# Altium PCB Kojiki 2.PcbDoc (part 2 of 2)
Units mil, origin at the board's own origin, x right, y up, seen from the top; angles counter-clockwise.
Board outline 6000 x 4000 mil, 4 copper layers (Top Layer, Int1 (GND), Int2 (GND), Bottom Layer), stack 53.912 mil thick; 242 components, 161 nets, 893 pads, 0 vias.
Unrouted connection lines stored in the file: 523.
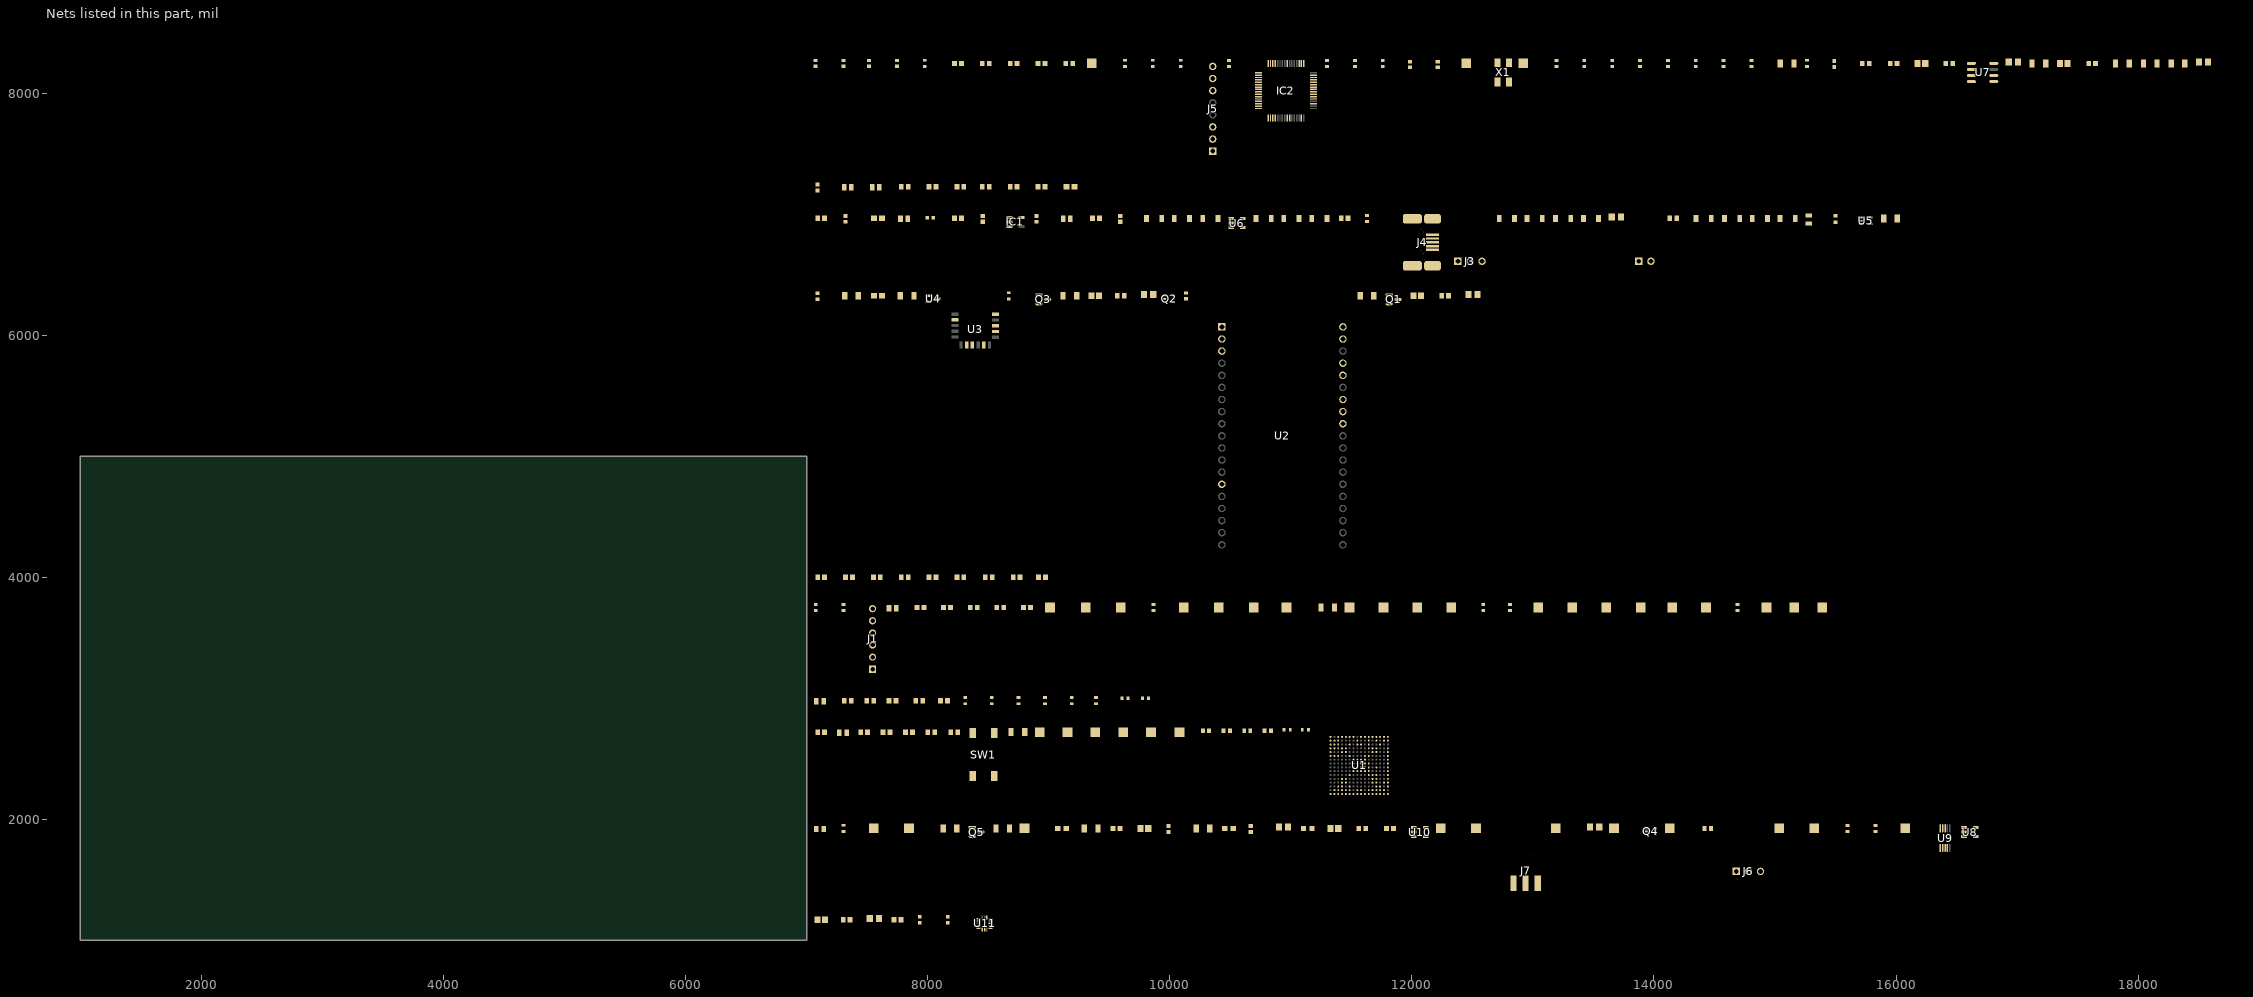
[diagram p4: the nets of this part, all layers, seen from the top]

## Part data
C1 C13 C19 C40 C45 C56 C57 C79: library part CMP-03020-006206-1, "CAP CER 10000PF 50V X7R 0805", Manufacturer=KEMET, Package / Case=C0805C-DN, Temperature="-55°C to +125°C", Temperature Characteristic=X7R, Temperature Coefficient=30ppm/°C, Temperature Range Low=-55°C, Voltage="50 V", Alternative1="GRM21BR72A103KA01L Murata", Alternative2="C0805F103K5RACTU KEMET", Alternative3="08055C103JAT2A Kyocera AVX", ComponentLink2Description=Datasheet, ComponentLink2URL=https://content.kemet.com/datasheets/KEM_C1003_C0G_SMD.pdf, Height=0.88mm, Lead Free=Yes, Material=Ceramic, Part Number=C0805C103K5RACAUTO, RoHS=TRUE
C2 C3 C4 C5 C6 C7 C8 C9 C10 C11 C12 C14 C15 C16 C17 C18 C20 C21 C22 C23 C24 C25 C26 C27 C28 C30 C32 C35 C36 C38 C42 C47 C49 C50 C51 C52 C53 C54 C59 C61 C62 C64 C67 C68 C69 C70 C71 C72 C74 C77 C80 C82: library part CMP-2006-03067-1, "Ceramic Capacitor 0.1uF 16V +-10% X7R0603", Manufacturer=Kemet, Package / Case=0603, Voltage=16V, Alternative1="C1608X7R1E104K TDK", Alternative2="CC0603KRX7R8BB104 Yageo", Alternative3="GRM188R72A104KA35D Murata", Part Number=C0603C104M4RACTU
C29 C31 C58 C60 C73 C78 C81: library part CMP-2007-01009-1, Manufacturer=Kemet, Package / Case=0805, Voltage=6.3V, Alternative1="GRM219R61A475KE34D Murata", Alternative2="C0805C475K3PACTU KEMET", Alternative3="CC0805KKX5R7BB475 Yageo", Part Number=C0805C475K9PACTU
C33 C46 C48: library part CMP-2006-02293-1, Manufacturer=Kemet, Package / Case=0603, Voltage=10V, Alternative1="CL10B105KO8NNND Samsung", Alternative2="CC0603KPX7R7BB105 Yageo", Alternative3="GRM188R71C105KE15D Murata", Part Number=C0603C105K8RACTU
C34 C39 C41 C44 C55 C63 C76: library part CMP-13271-001938-1, "Cap Ceramic 10uF 6.3V X5R ±20% Pad SMD 0603 +85°C T/R", Case Code (Imperial)=0603, Case Code (Metric)=1608, Dielectric=X5R, Manufacturer=Samsung, Max Operating Temperature=85°C, Min Operating Temperature=-55°C, Tolerance=20%, Voltage=6.3V, Alternative1="LMK107BJ106MALTD Taiyo Yuden", Alternative2="C1608X5R0J106K080AB TDK", Alternative3="06036D106MAT2A Kyocera AVX", Depth=0.8mm, Height=0.8mm, Length=1.6mm, Mount="Surface Mount", Package / Case=0603, Packaging="Tape and Reel", Part Number=CL10A106MQ8NNNC, Radiation Hardening=No, Thickness=0.035inch, Width=0.031inch
C37 C43: library part CMP-06035-000033-2, "Chip Multilayer Ceramic Capacitors for General Purpose, 0603, 22uF, X5R, 15%, 20%, 10V", Case Code (Imperial)=0603, Case Code (Metric)=1608, Dielectric=X5R, Max Operating Temperature=85°C, Min Operating Temperature=-55°C, Package Quantity=4000, Tolerance=20%, Voltage=10V, Alternative1="GRM21BR72A103KA01L Murata", Alternative2="C0805F103K5RACTU KEMET", Alternative3="08055C103JAT2A Kyocera AVX", Lead Free="Lead Free", Material=Ceramic, Mount="Surface Mount", Package / Case=0603, Packaging="Tape and Reel", Part Number=GRM188R61A226ME15D, Termination=SMD/SMT, Width=0.8mm
C65 C66: library part CMP-03020-020748-1, "CAP CER 18PF 25V C0G/NP0 0603", Capacitance="18 pF", Manufacturer=KEMET, Package / Case=C0603C-CF, Temperature="-55°C to +125°C", Temperature Characteristic=C0G, Temperature Coefficient=30ppm/°C, Temperature Range High=+125°C, Temperature Range Low=-55°C, Tolerance=0.05, Voltage="25 V", Automotive=Yes, ComponentLink2Description=Datasheet, ComponentLink2URL=https://api.kemet.com/component-edge/download/datasheet/C0603C100J5GACAUTO.pdf, Device Class L2=Capacitors, Device Class L3="Ceramic Capacitors", Digikey Description="CAP CER 18PF 25V C0G/NP0 0603", Height=0.87mm, Lead Free=Yes, Material=Ceramic, Octopart=https://octopart.com/c0603c180j3gacauto-kemet-21982873, Part Number=C0603C180J3GACAUTO, RoHS=TRUE
C75: library part CMP-2006-04378-1, Manufacturer="AVX Interconnect / Elco", Voltage=50V, Part Number=06035C102KAT2A
IC1: "Integrated Circuit", Manufacturer_Name="Texas Instruments", Mouser Part Number=595-TLV73312PDBVT, Arrow Part Number=TLV73312PDBVT, Arrow Price/Stock=https://www.arrow.com/en/products/tlv73312pdbvt/texas-instruments, Datasheet Link=http://www.ti.com/lit/gpn/TLV733P, Height=1.45mm, Manufacturer_Part_Number=TLV73312PDBVT, Mouser Price/Stock=https://www.mouser.co.uk/ProductDetail/Texas-Instruments/TLV73312PDBVT?qs=ifm8N2KdrcbA2G38xADqCw%3D%3D
IC2: library part FT2232HL-REEL, "Integrated Circuit", Manufacturer="FTDI Chip", Mouser Part Number=895-FT2232HL, Package / Case=QFP50, Arrow Part Number=FT2232HL-REEL, Arrow Price/Stock=https://www.arrow.com/en/products/ft2232hl-reel/ftdi-chip, Datasheet Link=http://www.ftdichip.com/Support/Documents/DataSheets/ICs/DS_FT2232H.pdf, Height=1.6mm, Mouser Price/Stock=https://www.mouser.co.uk/ProductDetail/FTDI/FT2232HL-REEL?qs=D1%2FPMqvA100v7FHcEx164g%3D%3D, Part Number=FT2232HL
J1: "Header, 6-Pin", LatestRevisionDate=17-Jul-2002, LatestRevisionNote="Re-released for DXP Platform.", Publisher="Altium Limited"
J2: library part CMP-1024-00319-1, "0.025\" SQ Post Header, Through-hole, Right Angle, -55 to 105 degC, 2.54 mm Pitch, 2-Pin, Male, RoHS", Manufacturer=Samtec, Temperature Range="-55 to 105 degC", ComponentLink1Description="Manufacturer URL", ComponentLink1URL=http://www.samtec.com, ComponentLink2Description=Datasheet, ComponentLink2URL=http://www.samtec.com/documents/webfiles/pdf/TSW_TH.PDF, ComponentLink3Description="Package Specification", ComponentLink3URL=http://www.samtec.com/documents/webfiles/cpdf/TSW-XXX-XX-XXX-X-XX-XXX-MKT.pdf, DatasheetVersion=F-214, Mounting Technology=Through-hole, Orientation="Right Angle", PackageDescription=".025[0.64] SQ. Post Terminal Strip Assembly", PackageReference=TSW-102-08-X-S-RA, PackageVersion="DM, 8/1988", PartNumber=TSW-102-08-T-S-RA, Pitch="2.54 mm", RoHS=True
J3 J6: library part CMP-1024-00343-1, "0.025\" SQ Post Header, Through-hole, Right Angle, -55 to 125 degC, 2.54 mm Pitch, 3-Pin, Male, RoHS", Manufacturer=Samtec, Temperature Range="-55 to 125 degC", ComponentLink1Description="Manufacturer URL", ComponentLink1URL=http://www.samtec.com, ComponentLink2Description=Datasheet, ComponentLink2URL=http://www.samtec.com/documents/webfiles/pdf/TSW_TH.PDF, ComponentLink3Description="Package Specification", ComponentLink3URL=http://www.samtec.com/documents/webfiles/cpdf/TSW-XXX-XX-XXX-X-XX-XXX-MKT.pdf, DatasheetVersion=F-214, Mounting Technology=Through-hole, Orientation="Right Angle", PackageDescription=".025[0.64] SQ. Post Terminal Strip Assembly", PackageReference=TSW-103-08-X-S-RA, PackageVersion="DM, 8/1988", PartNumber=TSW-103-08-L-S-RA, Pitch="2.54 mm", RoHS=True
J4: library part CMP-0411-00002-1, "USB, MINI, SMD, RA KME04-USBMU03A01", Manufacturer=Molex, ComponentLink1Description="Manufacturer URL", ComponentLink1URL=http://www.molex.com/, ComponentLink2Description=Datasheet, ComponentLink2URL=http://www.molex.com/pdm_docs/sd/675031020_sd.pdf, DatasheetVersion="Rev F, 06/2009", Mounting Technology="Surface Mount", PackageDescription="Mini USB Connector, SMT, Righer Angle", PackageReference=67503-1020, Part Number=67503-1020, Terminal Pitch="0.8 mm"
J5: library part CMP-02766-000001-1, "CONN HEADER VERT 8POS 2.54MM", Manufacturer=Samtec, Temperature="-55°C to +125°C", Temperature Range High=+125°C, Temperature Range Low=-55°C, Automotive=No, Category=Conn, ComponentLink2Description=Datasheet, ComponentLink2URL=http://suddendocs.samtec.com/catalog_english/tsw_th.pdf, Conn Gender=Male, Conn Orientation=Straight, Contact Material=Gold,Nickel, Device Class L1=Connectors, Device Class L2="Headers and Wire Housings", Device Class L3=unset, Digikey Description="CONN HEADER VERT 8POS 2.54MM", Footprint Url=http://suddendocs.samtec.com/prints/tsw-xxx-xx-x-x-xx-xxx-footprint.pdf, Height=8.71mm, Lead Free=Yes, Manufacturer Part Number=TSW-108-08-G-S, Mouser Description="TSW - Samtec 2.54mm Pin Header 13.46mm Overall Pin Length 5.08mm Tail", Number Of Contacts=8, Number Of Rows=1, Octopart=https://octopart.com/tsw-108-08-g-s-samtec-272653, Package=TSW-108-08-G-S, Pitch=2.54mm, RoHS=TRUE
J7: library part CMP-1024-00212-1, "0.025\" SQ Post Header, Surface Mount, Horizontal, -55 to 125 degC, 2.54 mm Pitch, 3-Pin, Male, RoHS", Manufacturer=Samtec, Temperature Range="-55 to 125 degC", ComponentLink1Description="Manufacturer URL", ComponentLink1URL=http://www.samtec.com, ComponentLink2Description=Datasheet, ComponentLink2URL=http://www.samtec.com/documents/webfiles/pdf/TSM.PDF, ComponentLink3Description="Package Specification", ComponentLink3URL=http://www.samtec.com/documents/webfiles/cpdf/TSM-1XX-XX-XXX-SH-XX-XXX-XX-MKT1.pdf, Mounting Technology="Surface Mount", Orientation=Horizontal, Part Number=TSM-103-01-F-SH, Pitch="2.54 mm", RoHS=True
L1 L2 L3 L4 L5 L6 L7 L8: library part CMP-2000-05194-1, "Chip Bead for Signal Filtering, 600 Ohm, 500 mA, -40 to 125 degC, 0805 (2012 Metric), RoHS, Tape and Reel", Current Rating (Max)=500mA, DC Resistance (DCR) (Max)=300mOhm, Impedance @ Frequency=600Ohm@100MHz, Manufacturer=Laird, Operating Temperature=-40degC~125degC, Package / Case=0805(2012Metric), Package Description="2-Pin Surface Mount Device, Body 2 x 1.25 mm", Package Reference=LI0805H15R-10-2, Datasheet URL=https://datasheet.ciiva.com/22622/1685710-22622833.pdf, Height (Max)="0.043\"(1.10mm)", Mounting Type=SurfaceMount, Other Names=240-2399-1, Part Number=HZ0805E601R-10, Size / Dimension="0.079\"Lx0.049\"W(2.00mmx1.25mm)"
  L1 L2 L3 L5 L6 L7 L8: Filter Type=SignalLine, Kits=240-2227-ND-KITEMIFERRITEBEADCHIPSMD
Q1 Q3 Q5: library part CMP-07173-000101-1, "MOSFET N-CH 50V 220MA SOT-23", Case/Package=SOT-23, Continuous Drain Current (ID)=220mA, Drain to Source Breakdown Voltage=50V, Drain to Source Resistance=3.5R, Gate to Source Voltage (Vgs)=20V, Input Capacitance=27pF, Max Operating Temperature=150°C, Max Power Dissipation=360mW, Min Operating Temperature=-55°C, On-State Resistance=6R, Package Quantity=1, Threshold Voltage=1.3V, Alternative1="BSS138LT3G ON Semiconductor", Alternative2="BSS138W-7-F Diodes", Alternative3="2N7002 STMicroelectronics", Contact Plating=Tin, Current Rating=220mA, Drain to Source Voltage (Vdss)=50V, Dual Supply Voltage=50V, Element Configuration=Single, Fall Time=9ns, Height=0.93mm, Lead Free="Lead Free", Length=2.92mm, Mount="Surface Mount", Nominal Vgs=1.3V, Number of Elements=1, Number of Pins=3, Packaging="Tape and Reel", Power Dissipation=360mW, Radiation Hardening=No, Rds On Max=3.5R, REACH SVHC="No SVHC", Rise Time=9ns, Termination=SMD/SMT, Turn-Off Delay Time=20ns, Turn-On Delay Time=2.5ns, Voltage Rating (DC)=50V, Weight=0.03g, Width=1.3mm
Q2 Q4: library part CMP-2000-05971-1, "Dual P-Channel Enhancement Mode MOSFET, 50 VDS, -55 to 150 degC, 6-Pin SOT363, RoHS, Tape and Reel", Id - Continuous Drain Current=-130mA, Manufacturer=DiodesIncorporated, Maximum Operating Temperature=+150C, Minimum Operating Temperature=-55C, Package / Case=SOT-363-6, Package Description="6-Pin Small Outline Transistor, Body 1.25 x 2 mm, Pitch 0.65 mm", Package Reference=SOT363-6, Pd - Power Dissipation=300mW, Rds On - Drain-Source Resistance=6Ohms, Vds - Drain-Source Breakdown Voltage=-50V, Vgs - Gate-Source Voltage=20V, Brand=DiodesIncorporated, Channel Mode=Enhancement, Configuration=Dual, Datasheet URL=http://www.diodes.com/_files/datasheets/ds30204.pdf, Datasheet Version="Rev. 18-2, 01/2014", Factory Pack Quantity=3000, Forward Transconductance - Min=0.05S, Height=1mm, Length=2.2mm, Manufacturer URL=http://www.diodes.com/, Mounting Style=SMD/SMT, Mounting Technology=SurfaceMount, Number of Channels=2Channel, Packaging=Reel, Product=MOSFETSmallSignal, Product Category=MOSFET, RoHS=True, Series=BSS84, Technology=Si, Transistor Polarity=P-Channel, Transistor Type=2P-Channel, Type=EnhancementModeFieldEffectTransistor, Typical Turn-Off Delay Time=18ns, Typical Turn-On Delay Time=10ns, Unit Weight=0.000212oz, Width=1.35mm
R1 R2 R8 R9 R10 R11 R12 R13 R14 R15 R51 R68 R83: library part CMP-2000-06934-1, "Thick Film Resistor, 2.2 KOhm, 100 mW, 50 V, +/- 1%, -55 to 155 degC, 2-Pin SMD (0603), RoHS, Tape and Reel", Case Code - mm=1608, Manufacturer=Yageo, Operating Temperature Range=-55Cto+155C, Package / Case=0603, Package Description="2-Pin Surface Mount Device, Body 1.6 x 0.8 mm", Power=0.1W, Temperature Coefficient=100PPM/C, Tolerance=1%, Voltage=50V, Alternative1="RC0603FR-102K2L Yageo", Alternative2="RMCF0603FT2K20 Stackpole Electronics", Alternative3="CRCW06032K20FKEA Vishay", Datasheet URL=http://www.yageo.com/documents/recent/PYu-RC_Group_51_RoHS_L_7.pdf, Datasheet Version="Rev. 7, 05/2017", Manufacturer URL=http://www.yageo.com/, Mounting Technology=SurfaceMount, Package Reference=0603, Packaging=Reel, Product=ThickFilmResistorsGeneralPurpose, Series=RC, Termination Style=SMD/SMT
R3 R5: library part CMP-2000-03436-1, Manufacturer="Vishay Dale", Power=0.1W, Part Number=CRCW060350R0FKEA
R4 R6: library part CMP-2000-00256-1, Manufacturer=Panasonic, Power=0.1W, Part Number=ERJ-3EKF1500V
R7 R19 R23 R25 R27 R28 R29 R47 R48 R49 R50 R52 R78 R79 R81 R82: library part CMP-2003-00545-1, "Res Thick Film 1206 10k Ohms 5% 1/4W", Manufacturer=Panasonic, Package / Case=1206, Power=1/4W, Alternative1="CR1206F-10KFI TT Welwyn", Alternative2="WR12X1002FGL Walsin Technologies", Alternative3="CR1206-FX-1002ELF Bourns", Part Number=ERJ-8GEYJ103V
R16 R17 R18 R20 R21 R22 R24 R40 R53 R54 R55 R56 R57 R58 R59 R60 R61 R62 R63 R64 R73 R74 R84 R85: library part CMP-2000-06972-1, "Chip Resistor, 0 Ohm, +/- 5%, 0.1 W, -55 to 155 degC, 0603 (1608 Metric), RoHS, Tape and Reel", Manufacturer=Samsung-Electro-Mechanics-America,-Inc., Operating Temperature=-55°C~155°C, Package / Case=0603(1608Metric), Package Description="2-Pin Chip Resistor, Body 1.6 x 0.8 mm", Power=0.1W,1/10W, Temperature Coefficient=-, Tolerance=Jumper, Alternative1="RC0603JR-130RL Yageo", Alternative2="RC0603JR-100RL Yageo", Alternative3="CRCW0603-0000Z0EA Vishay", Category=Resistors, Composition=ThickFilm, Datasheet URL=http://static6.arrow.com/aropdfconversion/3cece72dd289ffbadc164fbcd05f638dd7240f7b/rc_datasheet_150330.pdf.pdf?authToken=eyJ0eXAiOiJKV1QiLCJhbGciOiJIUzI1NiJ9.eyJTZXNzaW9uSWQiOiJtY3ZlYXdxYmptZXdpdXdyeG1ha2FxdWciLCJEb3dubG9hZFR5cGUiOiJEYXRhc2hlZXRzIiwiaXNzIjoic2VsZiIsImF1ZCI6Imh0dHA6Ly9kYXRhc2hlZXRhdXRoLmFycm93LmNvbSIsImV4cCI6MTQ3Njg1OTQ5NiwibmJmIjoxNDc2ODU5Mzc2fQ.1rZWSrRNyHkP6J5YmszFzS2kzmlbN9BKNvWJ4ACiP-Q, Datasheet Version=09/2015, Family=ChipResistor-SurfaceMount, Features=MoistureResistant, Height="0.022\"(0.55mm)", Manufacturer URL=http://www.samsungsem.com/global/index.jsp, Mounting Technology=SurfaceMount, Part Number=RC1608J000CS, Series=RC, Size / Dimension="0.063\"Lx0.031\"W(1.60mmx0.80mm)"
R26 R65 R66 R67: library part CMP-2000-06942-1, "Chip Resistor, 4.7 KOhm, +/- 1%, 0.1 W, -55 to 155 degC, 0603 (1608 Metric), RoHS, Tape and Reel", Case Code - mm=1608, Manufacturer=Yageo, Operating Temperature Range=-55Cto+155C, Package / Case=0603, Power=0.1W, Temperature Coefficient=100PPM/C, Tolerance=1%, Voltage Rating=50V, Datasheet URL=http://www.yageo.com/documents/recent/PYu-RC_Group_51_RoHS_L_7.pdf, Series=RC
R30: library part CMP-2001-03892-1, Manufacturer="Vishay Dale", Package / Case=0805, Power=125mW, Alternative1="CRCW08050000Z0EA Vishay", Alternative2="CRCW080512K0FKEA Vishay", Alternative3="CRCW08054K70FKEA Vishay", Part Number=CRCW08053M30FKEA
R31: library part CMP-1012-00166-1, "6M8 0.1W 5% 0603 (1608 Metric)  SMD", Package / Case=0603, Part Number=ERJ-3GEYJ685V, Power="0.1 W", Tolerance="5 %", Alternative1=CR0603-JW-685ELF, Alternative2="RMCF0603JT6M80 Stackpole Electronics", Alternative3="CRCW06036M80JNEA Vishay Dale"
R32 R33 R34 R35 R36 R37 R38 R39 R41 R42 R43 R44 R45 R46: library part CMP-03412-007570-1, "RES SMD 0 OHM JUMPER 1/4W 1206", Manufacturer=YAGEO, Package / Case=1206, Power=0.25W, Temperature="-55°C to +155°C", Temperature Coefficient=300ppm/°C, Tolerance=5%, Voltage Rating=200V, Alternative1="RC1206JR-100R Yageo", Alternative2="ERJ8GEY0R00V Panasonic", Alternative3="CRCW12060000Z0EC Vishay Dale", ComponentLink2Description=Datasheet, ComponentLink2URL=https://www.yageo.com/upload/media/product/productsearch/datasheet/rchip/PYu-RC_Group_51_RoHS_L_10.pdf, Composition="Thick Film", Height=0.65mm, Lead Free=Yes, Part Number=RC1206JR-070RL, RoHS=TRUE
R69 R70 R71 R72: library part CMP-1666-00019-2, "Chip Resistor, 4.7 KOhm, +/- 1%, 100 mW, -55 to 155 degC, 0603 (1608 Metric), RoHS, Tape and Reel", Manufacturer=Vishay, Package / Case=0603, Power=0.1W, Alternative 1="RC0603FR-134K7L Yageo", Alternative 2="WR06X4701FGL Walsin Technologies", Alternative 3="CRCW06031R50FNEA Vishay Dale", ComponentLink1Description="Manufacturer URL", ComponentLink1URL=http://www.vishay.com/, ComponentLink2Description=Datasheet, ComponentLink2URL=http://www.vishay.com/docs/20035/dcrcwe3.pdf, Part Number=CRCW06034K70FKEA, RoHSCompliant=true
R75: library part CMP-2000-03201-1, Manufacturer="Vishay Dale", Power=0.1W, Part Number=CRCW06032M70JNEA
R76 R77 R80: library part CMP-1012-00793-1, "330K 0.1W 1% 0603 (1608 Metric)  SMD", Case-EIA=0603, Case-Metric=1608, Power="0.1 W", Tolerance="1 %", Technology=SMT
SW1: library part CMP-2000-07486-1, "Micro Miniature Push Button Switch FSM JSM, 50 mA, -35 to 85 degC, 4-Pin SMD, RoHS, Tape and Reel", Capacitance=0f, Case\/Package=SMD/SMT, Contact Current Rating=50mA, Contact Resistance=100mOhm, Manufacturer="TE Connectivity", Max Operating Temperature=85degC, Max Voltage Rating (DC)=12V, Min Operating Temperature=-35degC, Operating Force=160gf, Package Description="4-Pin Surface Mount Device, Body 6 x 6 mm, Pitch 4.5 mm", Package Quantity=1200, Voltage Rating (DC)=24V, Actuator Length=0.055inch, Actuator Material=Polyamide, Contact Material=CopperAlloy, Contact Plating=Silver, Current Rating=50mA, Datasheet URL=http://www.te.com/commerce/DocumentDelivery/DDEController?Action=showdoc&DocId=Customer+Drawing%7F2-1437565-7%7FV%7Fpdf%7FEnglish%7FENG_CD_2-1437565-7_V.pdf%7F4-1437565-2, Datasheet Version="Rev. V, 02/2015", Electrical Life=100000Cycles, Illumination Type=Illuminated, Manufacturer URL=http://www.te.com/, Mechanical Life=100000Cycles, Mount=SurfaceMount, Mounting Technology=SurfaceMount, Orientation=Straight, Package Reference=FSM4JSMATR, Packaging=TapeandReel, REACH SVHC=Unknown, RoHSCompliant=true, Switch Travel=0.25mm, Termination=GullWing, Throw Configuration=SPST
U1: library part LCMXO3L-1K/2K/4K/7K-BG256, "IC FPGA 6864LUTS 256BGA", Color=Default, Manufacturer="Lattice semi", Power Pins Visible=False, Digikey P/N=220-1886-ND, Graphic=LCMXO3L-1K/2K/4K/7K-BG256A.Normal, Implementation Type=<none>, Location X-Coordinate=0, Location Y-Coordinate=0, Manufacturer Part Number=LCMXO3L-6900C-5BG256C, Name=I16790692, Part Number=LCMXO3L-6900C-5BG256C, Primitive=DEFAULT, Source Library=D:\DESIGN_DOC\XO3\LATTICEORCADCAPTURESCHEMATICLIBRARYOLB\LATTICEORCADCAPTURESCHEMATICLIBRARYOLB\LATTICE_SYM\LATTICEPLDS.OLB, Source Package=LCMXO3L-1K/2K/4K/7K-BG256, Source Part=LCMXO3L-1K/2K/4K/7K-BG256A.Normal, SPLIT_INST=TRUE, SWAP_INFO=(S1+S2+S3+S4+S5+S6+S7)
U2: "- Transceiver; 802.11 b/g/n _Wi-Fi, WiFi, WLAN_, BluetoothÂ® Smart Ready 4.x Dual Mode For Use With ESP-WROOM-32", Package=None, Availability=Unavailable, MF="Espressif Systems", MP=ESP32-DEVKITC-32D, Price=None, SnapEDA_Link=https://www.snapeda.com/parts/ESP32-DEVKITC-32D/Espressif%20Systems/view-part/2777395/?ref=snap
U3: "Integrated Circuit", Manufacturer_Name=Microchip, Mouser Part Number=579-BM71BS1FC2-BB04, Arrow Part Number=BM71BLES1FC2-0B04AA, Arrow Price/Stock=https://www.arrow.com/en/products/bm71bles1fc2-0b04aa/microchip-technology, Datasheet Link=http://www.microchip.com/mymicrochip/filehandler.aspx?ddocname=en578477, Manufacturer_Part_Number=BM71BLES1FC2-0B04AA, Mouser Price/Stock=https://www.mouser.co.uk/ProductDetail/Microchip-Technology/BM71BLES1FC2-0B04AA?qs=w%2Fv1CP2dgqqgFQsF1zIUBg%3D%3D
U4: library part CMP-0130-00048-1, "1.75Î¼A Micropower Voltage Detector, Open-Drain Output, 2.63V, 3-Pin SC-70, Extended Temperature, Tape and Reel", DatasheetVersion="revD, Jun-2005", PackageDescription="3-Lead Plastic Small Outline Transistor (LB) [SC70]", PackageReference=SC70-LB3, PackageVersion="revBB, Aug-2009"
U5: library part CMP-0251-00617-1, "Low-Power, 1%-Accurate Battery Monitor, Single LBO output, Open-Drain output, Fixed hysteresis, 5-Pin SC70, -40°C to +85°C, Pb-Free, Tape and Reel", Code_JEDEC=MO-203, ComponentLink1Description="Manufacturer URL", ComponentLink1URL=http://www.maxim-ic.com, ComponentLink2Description=Datasheet, ComponentLink2URL=http://datasheets.maxim-ic.com/en/ds/MAX6775-MAX6781.pdf, ComponentLink3Description="Package Specification", ComponentLink3URL=http://pdfserv.maxim-ic.com/package_dwgs/21-0076.PDF, DatasheetVersion="Rev 4, May-2009", PackageDescription="5-Pin SC70 Transistor Package, 0.65 mm Pitch, 2.2 mm Lead Span", PackageReference=X5+1, PackageVersion="revE, 2006"
U6: library part CMP-0244-00328-1, "150mA, Ultra-Low Drop Low Noise BiCMOS Voltage Regulators Low ESR Capacitors Compatible, 3.3V, 5-Pin SOT23-5L", ComponentLink1Description="Manufacturer URL", ComponentLink1URL=http://www.st.com, ComponentLink2Description=Datasheet, ComponentLink2URL=http://www.st.com/internet/com/TECHNICAL_RESOURCES/TECHNICAL_LITERATURE/DATASHEET/CD00003395.pdf, DatasheetVersion=3/01/2011, PackageDescription="5-Pin SOT-23 Package, 2.9 x 1.6 mm Body, 0.95 mm Pitch, 2.8 mm Lead Span", PackageReference=SOT23-5L, PackageVersion=1/01/2008
U7: library part CMP-0162-00111-1, "2K, 256x8 or 128x16-bit, 2.5V Microwire Serial EEPROM, 8-Pin SOIC 150mil, Industrial Temperature", Code_IPC=SOIC127P600-8, Code_JEDEC=MS-012, ComponentAvailability="Unknown. Contact manufacturer to determine status.", DatasheetVersion="revF, May-2008", PackageDescription="8-Lead Plastic Small Outline (SN) - Narrow, 3.90mm Body [SOIC]", PackageReference=SOIC-SN8, PackageVersion="revBB, Aug-2009"
U8 U10: "Integrated Circuit", Manufacturer_Name="Maxim Integrated", Arrow Part Number=MAX4466EXK, Datasheet Link=https://datasheets.maximintegrated.com/en/ds/MAX4465-MAX4469.pdf, Height=1.45mm, Manufacturer_Part_Number=MAX4466EXK
U9: library part CMP-0003-00374-2, "12-Bit ADC with Integrated Multiplexer, PGA, Comparator, Oscillator, and Reference, -40 to 125 degC, 10-pin SOP (DGS10), Green (RoHS & no Sb/Br)", Analog Voltage AV/DD(Max)(V)=5.5, Analog Voltage AV/DD(Min)(V)=2, Manufacturer="Texas Instruments", # Input Channels=4, Architecture=Delta-Sigma, Code_JEDEC=MO-153, ComponentLink1Description="Manufacturer URL", ComponentLink1URL=http://www.ti.com/, ComponentLink2Description=Datasheet, ComponentLink2URL=http://www.ti.com/general/docs/lit/getliterature.tsp?genericPartNumber=ADS1015&fileType=pdf, ComponentLink3Description="Package Specification", ComponentLink3URL=http://www.ti.com/lit/ml/mpds035b/mpds035b.pdf, DatasheetVersion=SBAS473C, Digital Supply(Max)(V)=5.5, Digital Supply(Min)(V)=2, Eco-Plan="Green (RoHS & no Sb/Br)", INL(Max)(+/-LSB)=0.5, Interface="Serial I2C", Mounting Technology="Surface Mount", PackageDescription="10-Pin Plastic Small Outline, Body 3 x 3 mm, Pitch 0.5 mm", PackageReference=DGS10, PackageVersion="4073272/C, 02/2004", PartNumber=ADS1015IDGSR, Resolution(Bits)=12, Sample Rate (max)(SPS)=3.3k, SubFamily="Precision ADC (<=10MSPS)"
U11: library part CMP-1750-00003-1, "3-Axis, 12-Bit / 8-Bit Digital Acceleromete, 1.95 to 3.6 V, -40 to 85 degC, 16-Pin QFN, RoHS, Tape and Reel", Case\Package=TO-226-3, Input Capacitance="50 pF", Max Operating Temperature="150 degC", Max Power Dissipation="625 mW", Min Operating Temperature="-55 degC", Nominal Dual Supply Voltage="-60 V", Package Quantity=4000, ComponentLink1Description="Manufacturer URL", ComponentLink1URL=http://www.nxp.com/, ComponentLink2Description=Datasheet, ComponentLink2URL=http://cache.nxp.com/files/sensors/doc/data_sheet/MMA8452Q.pdf, DatasheetVersion="Rev. 10, 04/2016", Elements=1, Height="4.01 mm", Length="4.77 mm", Mount="Through Hole", Nominal Vgs="-3.5 V", PackageDescription="16-Pin Quad Flat No-lead Package, Body 3 x 3 mm , Pitch 0.5 mm", PackageReference=QFN-16, Packaging=Bulk, Pins=3, Radiation Hardening=No, Rds On Max="14 Ohm", REACH SVHC="No SVHC", RoHSCompliant=true, Typical Rise Time="8 ns", Weight="0.016 oz", Width="2.41 mm"
X1: library part CMP-1688-00007-1, "Ceramic SMD Crystal, 12 MHz, +/- 20 ppm, 70 Ohm, -20 to 70 degC, 4-Pin SMD, RoHS, Tape and Reel", Dropout Voltage="2 V", Manufacturer=Abracon, Max Input Voltage="25 V", Max Operating Temperature="125 degC", Max Ouput Current="1.5 A", Min Input Voltage="7 V", Min Operating Temperature="0 degC", Nominal Output Voltage="5 V", Package / Case=TO-263-4, Package Quantity=500, ComponentLink1Description="Manufacturer URL", ComponentLink1URL=http://www.abracon.com/, ComponentLink2Description=Datasheet, ComponentLink2URL=http://www.abracon.com/Resonators/abm3b.pdf, DatasheetVersion=Aug-15, Mount="Surface Mount", Output Current="1.5 A", Output Voltage="5 V", PackageDescription="4-Pin Surface Mount Device, Body 5 x 3.2 mm", PackageReference=ABM3B, Packaging="Tape and Reel", Part Number=ABM3B-12.000MHZ-B2-T, Pins=3, Radiation Hardening=No, REACH SVHC="No SVHC", RoHSCompliant=true, Weight="0.050897 oz"

## Nets (pads, with @x,y where several pads share a name; then routed paths per layer and width w, separated by ;. In a path a pad name is that pad's centre, name@x,y a point inside that pad or via, vN(x,y) a via of type N, cw(c..) or ccw(c..) an arc to the next point about the centre after c; other vN are vias at no path point)
12MHZ: R64.1 U1.C8
+1.2V: C42.1 C43.1 IC1.5 R36.1 R37.1 R38.1 R39.1 R44.1 R45.1 R46.1
+3.3V: C37.1 C38.1 C41.2 C44.2 C45.1 C46.2 C47.1 C62.2 C67.2 C68.2 C69.2 C70.2 C71.2 IC1.1 IC1.3 IC2.20 IC2.31 IC2.42 IC2.50 IC2.56 J6.1 L1.1 L2.1 L4.1 L5.1 L7.1 L8.1 R8.2 R9.2 R10.2 R11.2 R12.2 R13.2 R14.2 R15.2 R25.1 R26.2 R29.1 R32.1 R33.1 R34.1 R35.1 R41.1 R42.1 R43.1 R47.2 R48.2 R49.2 R51.1 R75.2 R79.1 U6.5 U7.6 U7.8
+BATT: J2.1 J3.1 J6.3 R31.1 U5.5
BM71_MODE: R28.1 TP23.1 U1.T13 U3.16
COMP_IN1: R24.1 R80.1 TP50.1 U1.T2 U8.1 U9.4 U10.4
COMP_IN2: C79.1 R83.2 TP52.1 U1.R3 U8.3
CREST: C7.1 R7.2 SW1.1 SW1.2 U1.B3
CSSPIN: R16.1
CTSn: R57.2 U1.B11
D_N: IC2.7 J4.2
D_P: IC2.8 J4.3
DCDn: R54.2 U1.B13
DSRn: R55.2 U1.A12
DTRn: R56.2 U1.D11
ESP32_UART_RX: TP25.1 U1.T15 U2.24 U3.7
ESP32_UART_TX: TP26.1 U1.R14 U2.23 U3.8
FT_EECLK: IC2.62 R48.1 U7.2
FT_EECS: IC2.63 R47.1 U7.1
FT_EEDATA: IC2.61 R50.2 U7.3
FTDI_SCL: R22.2 R61.2
FTDI_SDA: R21.2 R62.2 R63.2
GND: C1.2 C2.2 C3.2 C4.2 C5.2 C6.2 C7.2 C8.2 C9.2 C10.2 C11.2 C12.2 C13.2 C14.2 C15.2 C16.2 C17.2 C18.2 C19.2 C20.2 C21.2 C22.2 C23.2 C24.2 C25.2 C26.2 C27.2 C28.2 C29.1 C30.1 C31.1 C32.1 C33.1 C34.1 C35.2 C36.1 C37.2 C38.2 C39.1 C40.2 C41.1 C42.2 C43.2 C44.1 C45.2 C46.1 C47.2 C48.1 C49.2 C50.2 C51.2 C52.2 C53.2 C54.2 C55.1 C56.2 C57.2 C58.1 C59.1 C60.1 C61.1 C62.1 C63.2 C64.1 C65.2 C66.2 C67.1 C68.1 C69.1 C70.1 C71.1 C73.1 C74.1 C75.1 C76.1 C77.1 C78.1 C79.2 C80.1 C81.1 C82.1 IC1.2 IC2.1 IC2.5 IC2.10 IC2.11 IC2.13 IC2.15 IC2.25 IC2.35 IC2.47 IC2.51 J2.2 J4.5 J4.6 J4.7 J4.8 J4.9 J5.7 J7.3 Q1.2 Q3.2 Q5.2 R23.2 R27.2 R28.2 R30.1 R40.2 R52.2 R68.2 R77.1 R78.2 R81.2 R82.2 SW1.3 SW1.4 U1.B2 U1.B15 U1.C3 U1.C14 U1.D4 U1.D13 U1.E5 U1.E12 U1.F6 U1.F11 U1.H8 U1.H9 U1.J8 U1.J9 U1.L6 U1.L11 U1.M5 U1.M12 U1.N4 U1.N13 U1.P3 U1.P14 U1.R2 U1.R15 U2.14 U2.20 U2.26 U3.2 U3.13 U4.2 U5.1 U5.2 U6.2 U7.5 U8.2 U9.1 U9.3 U10.2 U11.5 U11.7 U11.10 U11.12 X1.2 X1.4
INITN: TP6.1 U1.A13
IO_A3: TP4.1 U1.A3
IO_A4: TP1.1 U1.A4
IO_A5: TP3.1 U1.A5
IO_A10: TP2.1 U1.A10
IO_B1: U1.B1
IO_B16: U1.B16
IO_C1: U1.C1
IO_C2: U1.C2
IO_D1: U1.D1
IO_D2: U1.D2
IO_D3: U1.D3
IO_D16: U1.D16
IO_E1: U1.E1
IO_E16: U1.E16
IO_F1: U1.F1
IO_F2: U1.F2
IO_F3: U1.F3
IO_F16: U1.F16
IO_G16: U1.G16
IO_H16: U1.H16
IO_J16: U1.J16
IO_K16: U1.K16
IO_L16: U1.L16
IO_M16: U1.M16
IO_N16: U1.N16
IO_P4: TP7.1 U1.P4
IO_R4: TP13.1 U1.R4
IO_R6: TP15.1 U1.R6
IO_R8: TP22.1 U1.R8
IO_R9: TP10.1 U1.R9
IO_R11: TP19.1 U1.R11
IO_R13: Q5.1 R82.1 TP17.1 U1.R13
IO_T4: TP8.1 U1.T4
IO_T5: TP14.1 U1.T5 U8.4
IO_T7: TP21.1 TP45.1 U1.T7 U9.2
IO_T8: TP24.1 U1.T8
IO_T9: R83.1 TP9.1 TP53.1 U1.T9
IO_T10: TP12.1 U1.T10 U11.9
IO_T11: TP16.1 U1.T11 U11.11
IO_T12: TP20.1 U1.T12
IO_T14: Q1.1 Q3.1 R23.1 R27.1 TP18.1 U1.T14
LBO: R29.2 TP11.1 U1.T3 U5.4
LED0: U1.H11
LED1: U1.J13
LED2: U1.J11
LED3: U1.L12
LED4: U1.K11
LED5: U1.L13
LED6: U1.N15
LED7: U1.P16
MCLK: J1.6 R17.1 U2.28
NetC29_2: C29.2 C30.2 L1.2 U2.1
NetC31_2: C31.2 C32.2 L2.2 Q2.1
NetC33_2: C33.2 R26.1 U3.10 U4.1
NetC34_2: C34.2 Q2.6 U3.14 U4.3
NetC36_2: C36.2 J4.4 R40.1
NetC40_1: C40.1 U6.4
NetC58_2: C58.2 C59.2 IC2.9 L4.2
NetC60_2: C60.2 C61.2 IC2.4 L5.2
NetC65_1: C65.1 IC2.2 TP41.1 X1.1
NetC66_1: C66.1 IC2.3 R64.2 TP40.1 TP42.1 X1.3
NetC72_1: C72.1 J7.2 TP49.1
NetC72_2: C72.2 R76.2 R77.2
NetC73_2: C73.2 C74.2 L6.2 Q4.1 TP46.1
NetC75_2: C75.2 R75.1 R76.1 R78.1 TP48.1 U10.1
NetC76_2: C76.2 J7.1 Q4.6 TP47.1
NetC77_2: C77.2 C78.2 L7.2 U8.5 U9.8 U10.5
NetC80_2: C80.2 U11.2
NetC81_2: C81.2 C82.2 L8.2 U11.1 U11.14
NetD1_2: R8.1
NetD2_2: R9.1
NetD3_2: R10.1
NetD4_2: R11.1
NetD5_2: R12.1
NetD6_2: R13.1
NetD7_2: R14.1
NetD8_2: R15.1
NetIC2_6: IC2.6 R52.1
NetIC2_14: IC2.14 R51.2
NetIC2_16: IC2.16 R69.2
NetIC2_17: IC2.17 R70.2
NetIC2_18: IC2.18 R71.2
NetIC2_19: IC2.19 R72.2
NetIC2_38: IC2.38 R60.1 R61.1
NetIC2_39: IC2.39 R59.1 R62.1
NetIC2_40: IC2.40 R58.1 R63.1
NetIC2_41: IC2.41 R57.1
NetIC2_43: IC2.43 R56.1
NetIC2_44: IC2.44 R55.1
NetIC2_45: IC2.45 R54.1
NetIC2_46: IC2.46 R53.1
NetJ3_2: J3.2 L3.1
NetJ3_3: J3.3 J4.1
NetJ6_2: J6.2 L6.1
NetQ1_3: Q1.3 U2.2
NetQ2_2: Q2.2 Q3.3 R25.2
NetQ4_2: Q4.2 Q5.3 R79.2 TP51.1
NetR1_1: R1.1 R3.2 R4.1
NetR2_1: R2.1 R5.2 R6.1
NetR16_2: R16.2 U1.R5
NetR17_2: R17.2 U1.P6
NetR18_2: R18.2 U1.T6
NetR20_1: R20.1 U1.P13
NetR24_2: R24.2 U2.3
NetR30_2: R30.2 R31.2 U5.3
NetR49_1: R49.1 R50.1 U7.4
NetR73_1: R73.1 U9.10
NetR74_1: R74.1 U9.9
NetR80_2: R80.2 R81.1 U10.3
NetR84_2: R84.2 U11.4
NetR85_2: R85.2 U11.6
NetTP5_1: TP5.1 U1.A15
RI: R53.2 U1.A14
RS232_Rx_TTL: R60.2 U1.A11
RS232_Tx_TTL: R59.2 U1.C11
RTSn: R58.2 U1.F10
SCL: J1.2 R4.2 R73.2 R84.1 TP43.1
SCL_1: R3.1 R22.1 U1.A9
SDA: J1.1 R6.2 R74.2 R85.1 TP44.1
SDA_1: R5.1 R21.1 U1.C9
SISPI: J1.5 R20.2 U2.27
SN: J1.3 R19.2 U1.R12
SPISO: J1.4 R18.1 U2.21
TCK: J5.8 R68.1 R69.1 U1.A7
TDI: J5.3 R66.1 R70.1 U1.A6
TDO: J5.2 R67.1 R71.1 U1.C6
TMS: J5.6 R65.1 R72.1 U1.B8
USB_I2C_EN: IC2.26
VBUS_5V: C35.1 C39.2 L3.2 U6.1 U6.3
VCC1_8FT: C63.1 C64.2 IC2.12 IC2.37 IC2.49 IC2.64
VCC_CORE: C48.2 C49.1 C50.1 C51.1 C52.1 C53.1 C54.1 C55.2 C56.1 C57.1 R35.2 R36.2 U1.A1 U1.A16 U1.G7 U1.G10 U1.K7 U1.K10 U1.T1 U1.T16
VCCIO0: C1.1 C2.1 C3.1 C4.1 C5.1 C6.1 J5.1 R1.2 R2.2 R7.1 R32.2 R37.2 R65.2 R66.2 R67.2 U1.D5 U1.D12 U1.G8 U1.G9
VCCIO1: C8.1 C9.1 C10.1 C11.1 C12.1 C13.1 R33.2 R38.2 U1.E13 U1.H10 U1.J10 U1.M13
VCCIO2: C14.1 C15.1 C16.1 C17.1 C18.1 C19.1 R19.1 R34.2 R39.2 U1.K8 U1.K9 U1.N5 U1.N12
VCCIO3: C20.1 C21.1 C22.1 R41.2 R44.2 U1.M4
VCCIO4: C26.1 C27.1 C28.1 R42.2 R45.2 U1.H7 U1.J7
VCCIO5: C23.1 C24.1 C25.1 R43.2 R46.2 U1.E4
pads on no net: IC1.4 IC2.21 IC2.22 IC2.23 IC2.24 IC2.27 IC2.28 IC2.29 IC2.30 IC2.32 IC2.33 IC2.34 IC2.36 IC2.48 IC2.52 IC2.53 IC2.54 IC2.55 IC2.57 IC2.58 IC2.59 IC2.60 J4.X J4.Y J5.4 J5.5 J7.MH1 J7.MH2 Q2.3 Q2.4 Q2.5 Q4.3 Q4.4 Q4.5 U1.A2 U1.A8 U1.B4 U1.B5 U1.B6 U1.B7 U1.B9 U1.B10 U1.B12 U1.B14 U1.C4 U1.C5 U1.C7 U1.C10 U1.C12 U1.C13 U1.C15 U1.C16 U1.D6 U1.D7 U1.D8 U1.D9 U1.D10 U1.D14 U1.D15 U1.E2 U1.E3 U1.E6 U1.E7 U1.E8 U1.E9 U1.E10 U1.E11 U1.E14 U1.E15 U1.F4 U1.F5 U1.F7 U1.F8 U1.F9 U1.F12 U1.F13 U1.F14 U1.F15 U1.G1 U1.G2 U1.G3 U1.G4 U1.G5 U1.G6 U1.G11 U1.G12 U1.G13 U1.G14 U1.G15 U1.H1 U1.H2 U1.H3 U1.H4 U1.H5 U1.H6 U1.H12 U1.H13 U1.H14 U1.H15 U1.J1 U1.J2 U1.J3 U1.J4 U1.J5 U1.J6 U1.J12 U1.J14 U1.J15 U1.K1 U1.K2 U1.K3 U1.K4 U1.K5 U1.K6 U1.K12 U1.K13 U1.K14 U1.K15 U1.L1 U1.L2 U1.L3 U1.L4 U1.L5 U1.L7 U1.L8 U1.L9 U1.L10 U1.L14 U1.L15 U1.M1 U1.M2 U1.M3 U1.M6 U1.M7 U1.M8 U1.M9 U1.M10 U1.M11 U1.M14 U1.M15 U1.N1 U1.N2 U1.N3 U1.N6 U1.N7 U1.N8 U1.N9 U1.N10 U1.N11 U1.N14 U1.P1 U1.P2 U1.P5 U1.P7 U1.P8 U1.P9 U1.P10 U1.P11 U1.P12 U1.P15 U1.R1 U1.R7 U1.R10 U1.R16 U2.4 U2.5 U2.6 U2.7 U2.8 U2.9 U2.10 U2.11 U2.12 U2.13 U2.15 U2.16 U2.17 U2.18 U2.19 U2.22 U2.25 U2.29 U2.30 U2.31 U2.32 U2.33 U2.34 U2.35 U2.36 U2.37 U2.38 U3.1 U3.3 U3.4 U3.5 U3.6 U3.9 U3.11 U3.12 U3.15 U7.7 U9.5 U9.6 U9.7 U11.3 U11.8 U11.13 U11.15 U11.16

## Polygon pours and split planes (outlines as drawn)
no net on Int1 (GND) (split plane): 6979.9,1020.1 1020.1,1020.1 1020.1,4979.9 6979.9,4979.9
no net on Int2 (GND) (split plane): 6979.9,1020.1 1020.1,1020.1 1020.1,4979.9 6979.9,4979.9